# Altium PCB AMS_Master_A1.PcbDoc (part 1 of 2) (continued)
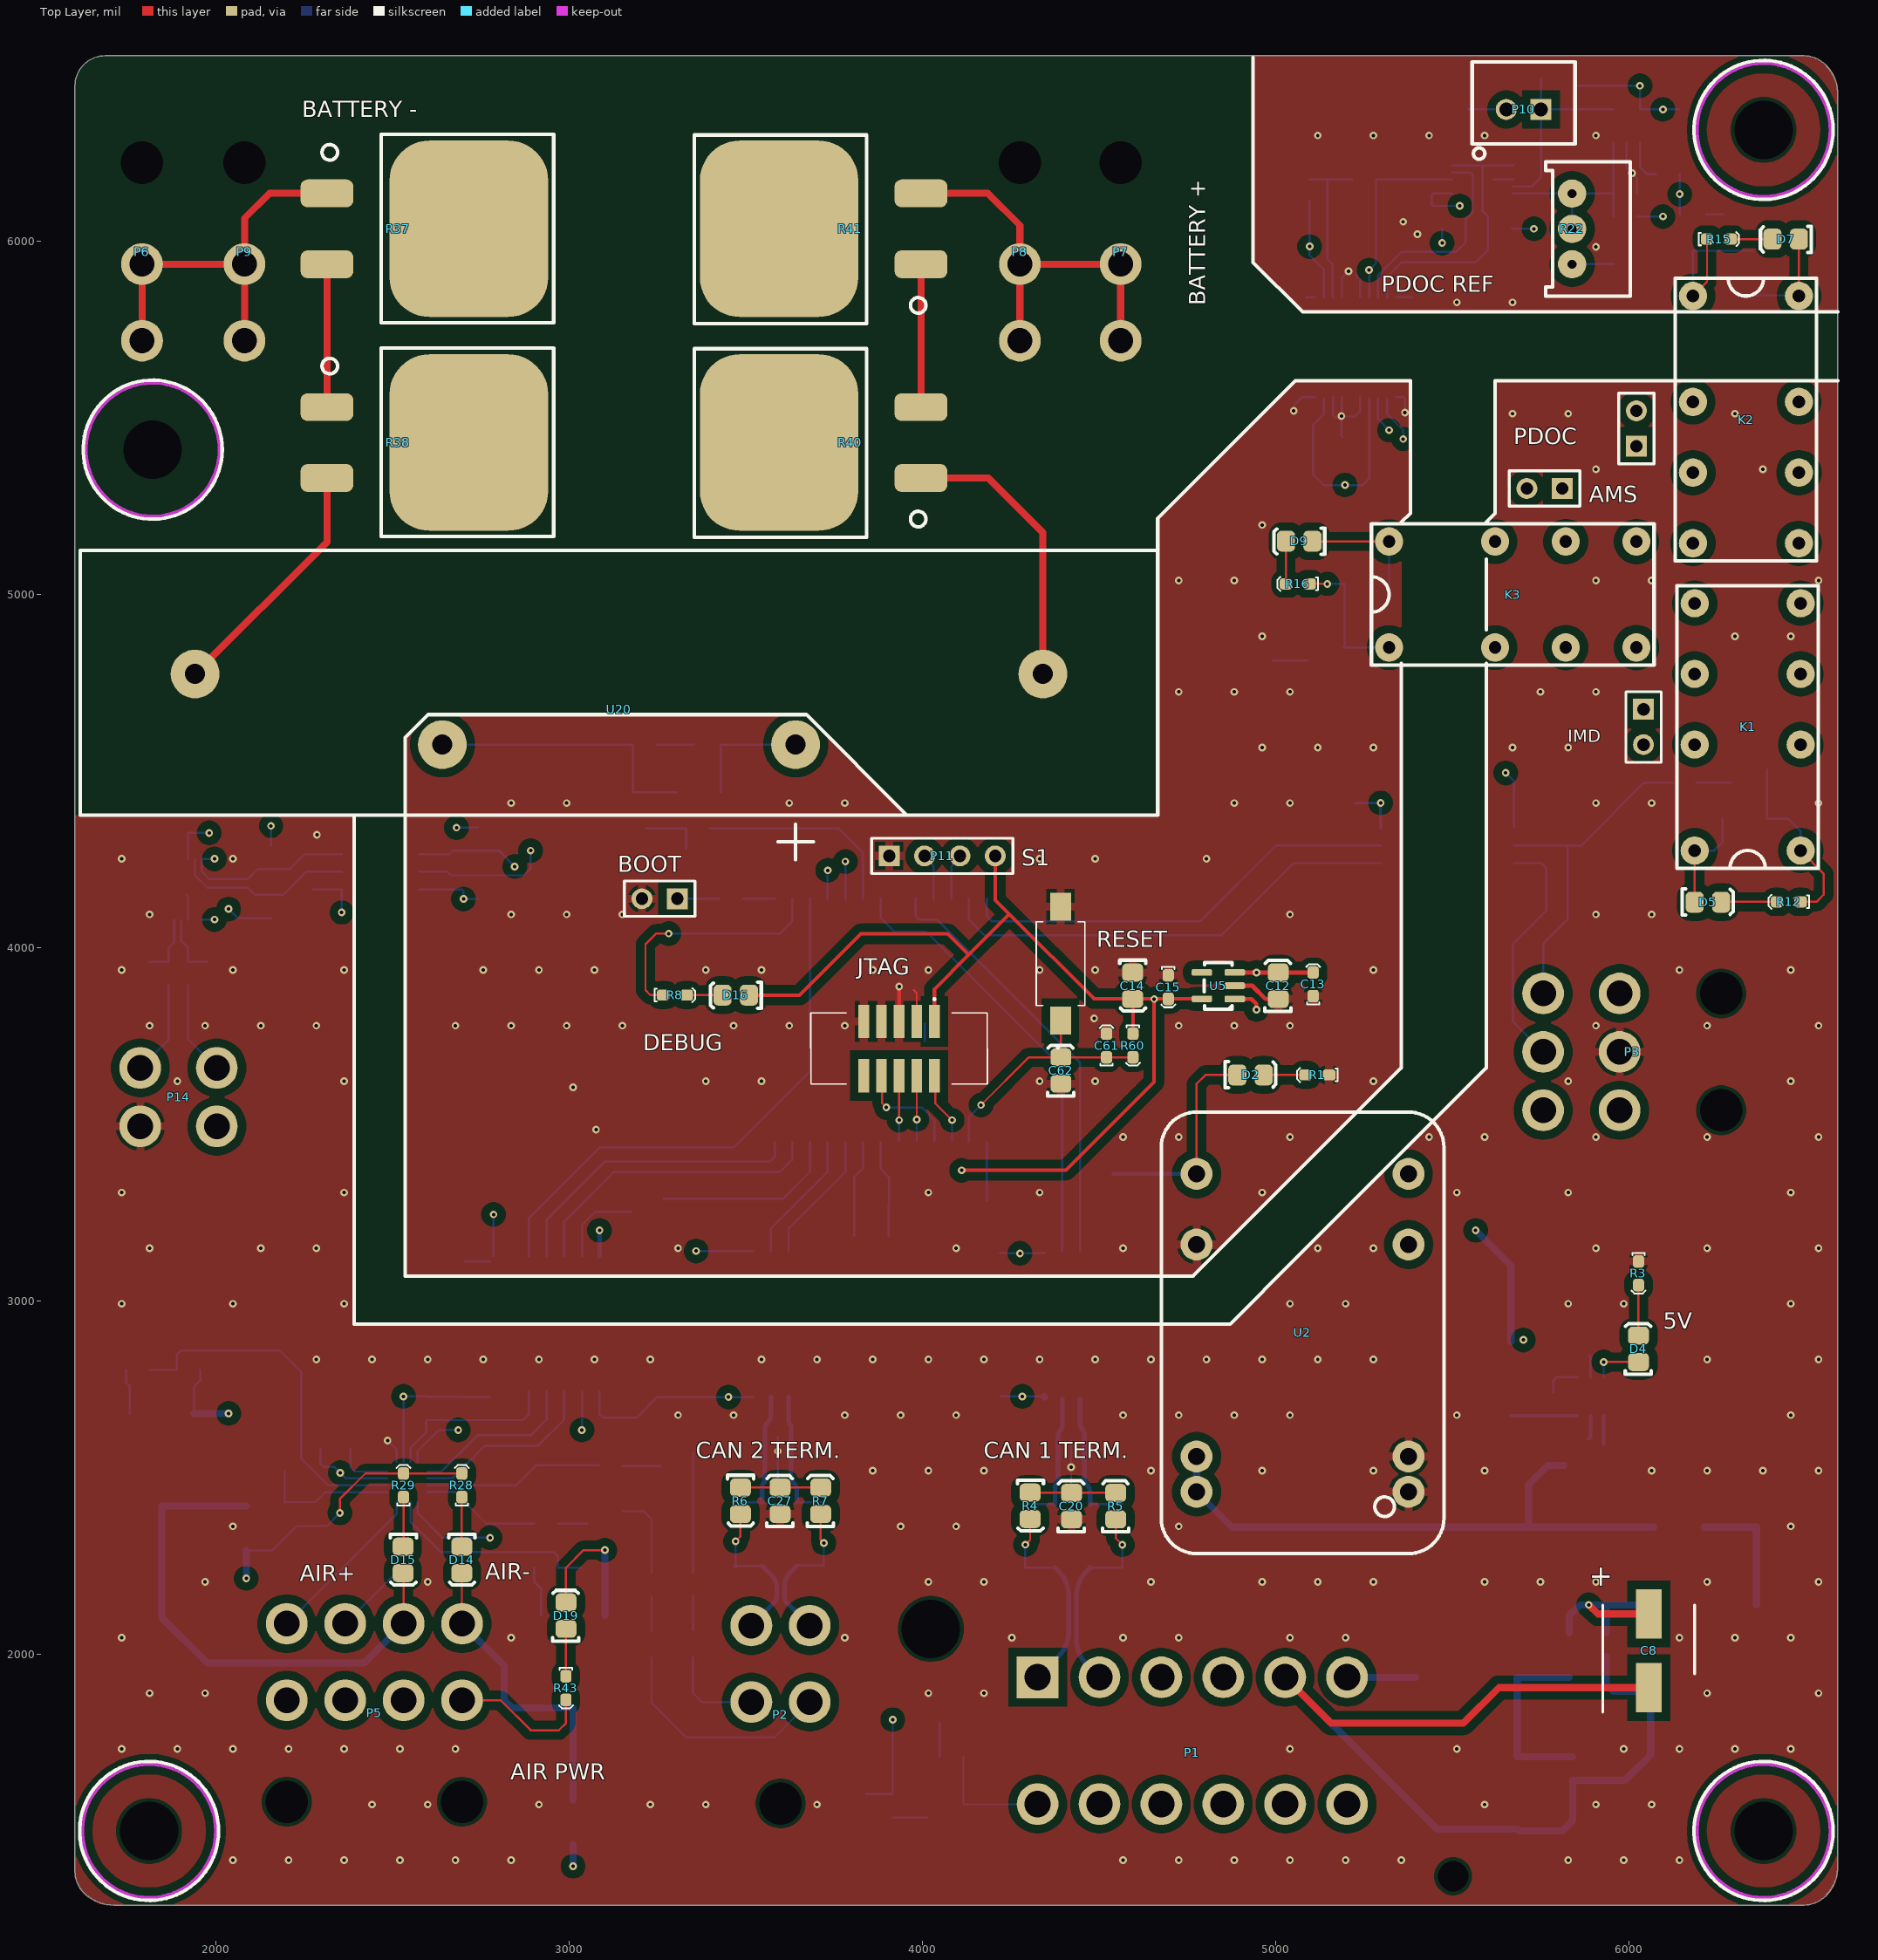
[diagram p0: Top Layer view]
## Footprints (in the part's own frame and the unit in brackets; to place one, negate y for a bottom-side part, rotate by r counter-clockwise, add the part's x,y. Pads: shape width x height; smd on the part's side, far side on the other; paste and mask are expansions set on the pad) (continued)
  silkscreen extent -4.93,-3.05 3.55,3.05, body extent -5.16,-3.05 5.16,3.05, height 2.65
"B 3296" [mil]
  round 80 hole 25.2: 1(-103.39,-22) 2(-3.39,-22) 3(96.61,-22)
  silkscreen extent -193,-97 187,143, body extent -191,-97 184,143, height 455
"B TO-263" [mm]
  rrect50% 2x3.8 smd: 1(-2.55,-10.2) 2(2.55,-10.2)
  rrect50% 12.7x11.4 smd: ""(0,0)
  silkscreen extent -6.8,-10.56 6.75,6.1, body extent -5.19,-11.02 5.45,4.83, height 4.8
"CHEMI-CON ELCO" [mm]
  rect 3.55x1.85 smd: 1(-2.65,0) 2(2.65,0)
  silkscreen extent -4.43,-3.3 3.3,3.3, body extent -3.7,-3.4 3.7,3.4, height 6.1
"CI SPST" [mm]
  round 3.5 hole 1.45: 1(30.48,5.08) 2(12.7,0) 3(-12.7,0) 4(-30.48,5.08)
  silkscreen extent -38.73,-8.25 38.73,13.97, body extent -38.1,-4.44 38.1,13.33, height 20.57
DTF15-12P [mm]
  rect 3x3 hole 1.9: 1(0,18.24)
  round 3 hole 1.9: 2(4.45,18.24) 3(8.9,18.24) 4(13.35,18.24) 5(17.8,18.24) 6(22.25,18.24) 7(22.25,9.12) 8(17.8,9.12) 9(13.35,9.12) 10(8.9,9.12) 11(4.45,9.12) 12(0,9.12)
  round 1.524 hole 4.2 unplated mask+0: 13(-7.671,21.717)
  round 1.524 hole 2.2 unplated mask+0: 13(29.87,3.937)
  body extent -10.87,2.62 33.07,24.88, height 35
"EPSON 2-SMD" [mm]
  rrect50% 1x1.8 smd: 1(-1.25,0) 2(1.25,0)
  silkscreen extent -2,-1.2 2,1.2, body extent -1.5,-1 1.5,1, height 1
ESP32-C6-WROOM-1-N8 [mm]
  rect 1.5x0.9 smd: 1(-8.75,5.26) 2(-8.75,3.99) 3(-8.75,2.72) 4(-8.75,1.45) 5(-8.75,0.18) 6(-8.75,-1.09) 7(-8.75,-2.36) 8(-8.75,-3.63) 9(-8.75,-4.9) 10(-8.75,-6.17) 11(-8.75,-7.44) 12(-8.75,-8.71) 13(-8.75,-9.98) 14(-8.75,-11.25) 15(8.75,-11.25) 16(8.75,-9.98) 17(8.75,-8.71) 18(8.75,-7.44) 19(8.75,-6.17) 20(8.75,-4.9) 21(8.75,-3.63) 22(8.75,-2.36) 23(8.75,-1.09) 24(8.75,0.18) 25(8.75,1.45) 26(8.75,2.72) 27(8.75,3.99) 28(8.75,5.26)
  rect 0.8x0.8 smd: 29(-1.505,-0.46) 30(-2.755,0.79) 31(-2.755,-0.46) 32(-2.755,-1.71) 33(-1.505,-1.71) 34(-0.255,-1.71) 35(-0.255,-0.46) 36(-0.255,0.79) 37(-1.505,0.79)
  silkscreen extent -10.05,-12.75 9,12.75, body extent -9.01,-12.8 9.01,12.7, height 3.1
NEXPERIA_SOT23 [mm]
  rect 0.95x0.6 smd: 2(-1.175,-0.95) A(-1.175,0.95) K(1.175,0)
  silkscreen extent -1.3,-1.5 0.7,1.92, body extent -1.33,-1.5 1.33,1.5, height 1.1
"NXP SOD123W" [mm]
  rrect50% 1.1x1.3 smd: A(1.6,0) K(-1.6,0)
  silkscreen extent -2.2,-0.73 0.2,1.04, body extent -1.75,-0.95 1.75,0.95, height 1.1
"ON SOT-23" [mm] "NUP2105L"
  rrect50% 0.8x0.9 smd: 1(-0.95,-1) 2(0.95,-1) 3(0,1)
  silkscreen extent -1.75,-0.65 1.75,0.75, body extent -1.5,-1.28 1.5,1.27, height 1
"ON SOT-23-5" [mil]
  rrect50% 19x58 smd: 1(24.61,38.39) 2(62.01,38.39) 3(99.41,38.39) 4(99.41,131.39) 5(24.61,131.39)
  silkscreen extent -5,39 128,128, body extent 2,27 122,145, height 57
PTS636SM43SMTRLFS [mm]
  rect 2x1.5 smd: 1(-4.1,0) 2(4.1,0)
  silkscreen extent -6.1,-1.75 3,1.75, body extent -3.47,-1.75 3.63,1.75, height 4.3
SRN3015TA-4R7M [mm]
  rrect25% 1.5x3.6 smd: 1(-1.525,0) 2(1.525,0)
  silkscreen extent -2.1,-0.05 -2,0.05, body extent -1.46,-1.47 1.61,1.47, height 1.4
"ST SMB DIODE" [mm]
  rrect50% 2.5x2.5 smd: A(2.6,0) K(-2.6,0)
  silkscreen extent -4.28,-2.12 4.17,2.08, body extent -2.88,-1.99 2.72,1.95, height 2.5
"STM TO-252 MOSFET" [mm]
  rrect50% 6.7x6.7 smd: D(0.05,0.35)
  oval 1.6x3 smd: G(2.35,7) S(-2.25,7)
  silkscreen extent -3.75,-3.4 3.75,4.5, body extent -3.33,-2.67 3.39,7.75, height 2.39
"TDK 4-PC Pad" [mm]
  rrect50% 1.35x0.9 smd: 1(0,-2.5) 2(0,0) 3(4.55,0) 4(4.55,-2.5)
  silkscreen extent -1,-3.2 5.5,0.7, body extent -0.02,-2.82 4.48,0.38, height 2.8
"TH 2.54mm Header 1x2" [mm]
  rect 1.5x1.5 hole 0.9: 1(0,0)
  round 1.5 hole 0.9: 2(2.54,0)
  silkscreen extent -1.27,-1.27 3.81,1.27, body extent -1.27,-1.27 3.81,1.27, height 9.5
"TH 2.54mm Header 1x4" [mm]
  rect 1.5x1.5 hole 0.9: 1(0,0)
  round 1.5 hole 0.9: 2(2.54,0) 3(5.08,0) 4(7.62,0)
  silkscreen extent -1.27,-1.27 8.89,1.27, body extent -1.27,-1.27 8.89,1.27, height 9.5
"TI 2-DIL" [mil]
  round 80 hole 35.43: 1(-350,-150) 4(-50,-150) 6(150,-150) 8(350,-150) 9(350,150) 11(150,150) 13(-50,150) 16(-350,150)
  silkscreen extent -400,-200 400,200, body extent -398,-197 398,197, height 450
"TI 8-SOIC" [mm]
  oval 1.4x0.6 smd: 1(-9.677,2.54) 2(-9.677,1.27) 3(-9.677,0) 4(-9.677,-1.27) 5(-4.089,-1.27) 6(-4.089,0) 7(-4.089,1.27) 8(-4.089,2.54)
  silkscreen extent -8.74,-1.78 -5.03,3.17, body extent -9.96,-1.87 -3.76,3.14, height 1.76
"TI 10-VSSOP" [mm]
  rrect50% 1.45x0.3 smd mask+0.05: 1(-2.2,1) 2(-2.2,0.5) 3(-2.2,0) 4(-2.2,-0.5) 5(-2.2,-1) 6(2.2,-1) 7(2.2,-0.5) 8(2.2,0) 9(2.2,0.5) 10(2.2,1)
  silkscreen extent -1.25,-1.5 1.25,1.5, body extent -2.45,-1.5 2.45,1.5, height 1.12
"TI SOT-23-5" [mil]
  rrect50% 19x58 smd: 1(0,0) 2(37.4,0) 3(74.8,0) 4(74.8,93) 5(0,93)
  silkscreen extent -30,8 103,86, body extent -23,-12 97,106, height 57
TI-SOIC-8 [mm]
  rrect50% 1.95x0.6 smd: 1(-5.25,1.905) 2(-5.25,0.635) 3(-5.25,-0.635) 4(-5.25,-1.905) 5(5.25,-1.905) 6(5.25,-0.635) 7(5.25,0.635) 8(5.25,1.905)
  silkscreen extent -5.37,-3 3.88,3, body extent -5.75,-3 5.75,3, height 2.8
TI-SOT23-6 [mm]
  rect 1x0.6 smd: 1(-1.375,0.95) 2(-1.375,0) 3(-1.375,-0.95) 4(1.375,-0.95) 5(1.375,0) 6(1.375,0.95)
  silkscreen extent -1.5,-1.55 0.5,1.92, body extent -1.5,-1.53 1.5,1.53, height 1.45
"VSHY SOT-23-3" [mm] "SOT23, 3-Leads, Body 2.92x2.37mm, Pitch 0.95mm, IPC Low Density"
  rrect50% 1.2x0.65 smd: D(1.3,0) G(-1.3,0.95) S(-1.3,-0.95)
  silkscreen extent -1.42,-1.5 0.7,1.95, body extent -1.32,-1.52 1.32,1.52, height 1.12
WFQN-16 [mm]
  rect 0.8x0.25 smd: 1(-1.45,0.75) 2(-1.45,0.25) 3(-1.45,-0.25) 4(-1.45,-0.75) 9(1.45,-0.75) 10(1.45,-0.25) 11(1.45,0.25) 12(1.45,0.75)
  rect 0.25x0.8 smd: 5(-0.75,-1.45) 6(-0.25,-1.45) 7(0.25,-1.45) 8(0.75,-1.45) 13(0.75,1.45) 14(0.25,1.45) 15(-0.25,1.45) 16(-0.75,1.45)
  rect 1.68x1.68 smd: 17(0,0)
  silkscreen extent -2.47,-1.7 1.7,1.7, body extent -1.6,-1.6 1.6,1.6, height 0.8
"Wurth 4-PC Pad" [mm]
  rrect50% 2.7x2.7 smd: 1(7.62,6.22) 2(0,6.22) 3(0,0) 4(7.62,0)
  silkscreen extent -1.7,-1.8 9.4,8, body extent -1.19,-1.24 8.81,7.46, height 6.2
"XH 2 PIN VERT" [mm]
  round 1.508 hole 1: 1(1.25,0.127)
  rect 1.508x1.508 hole 1: 2(-1.25,0.127)
  silkscreen extent -3.7,-3.3 3.7,3.71, body extent -3.61,-3.24 3.61,2.6, height 7.21

## Part data
AMS BOOT IMD PDOC: library part "TH 2.54mm Header 1x2", Angle=0, Contact=NA, Flange=No, Part Number="TH 2.54mm Header 1x2", Pitch=2.54mm, Positions=2, Row Spacing=2.54mm
C1 C20 C27: library part GRM21BR61A226ME51L, Digikey Part Number=490-10511-1-ND, Manufacturer=muRata, Rated Voltage=10V, Temperature Rating=X5R, Tolerance=20%, Material=MLCC, Part Number=GRM21BR61A226ME51L
C2 C12 C14 C58 C62: library part GCM21BR71H105KA03L, Digikey Part Number=490-10675-1-ND, Manufacturer=muRata, Rated Voltage=50V, Temperature Rating=X7R, Tolerance=±10%, Material=MLCC, Part Number=GCM21BR71H105KA03L
C3 C4 C17 C45 C49: library part GRM21BR6YA106KE43L, Digikey Part Number=490-10514-6-ND, Manufacturer=muRata, Rated Voltage=50V, Temperature Rating=X5R, Tolerance=10%, Material=MLCC, Part Number=GRM21BR6YA106KE43L
C5 C6 C7 C10 C13 C15 C16 C18 C19 C25 C26 C36 C37 C38 C39 C40 C41 C42 C43 C44 C47 C48 C50 C52 C53 C54 C55 C56 C57 C59 C60 C61: library part GCM188L81H104KA57D, Digikey Part Number=490-6049-1-ND, Manufacturer=muRata, Rated Voltage=50V, Temperature Rating=X8L, Tolerance=±10%, Material=MLCC, Part Number=GCM188L81H104KA57D
C8: library part HHXA350ARA470MF61G, Manufacturer=Chemi-Con, Rated Voltage=35V, Temperature Rating=125C, Tolerance=20%, Material="Aluminium Electrolytic", Part Number=HHXA350ARA470MF61G
C9: library part GRM21BR61A226ME51L, Digikey Part Number=490-10511-1-ND, Manufacturer=muRata, Rated Voltage=50V, Temperature Rating=X5R, Tolerance=20%, Material=MLCC, Part Number=GRM21BR61A226ME51L
C11: library part GRM21BR71E225KE11L, Digikey Part Number=490-14467-2-ND, Manufacturer="Murata Electronics", Rated Voltage=25V, Temperature Rating=X7R, Tolerance=±10%, Material=MLCC, Part Number=GRM21BR71E225KE11L
C21 C22 C23 C24 C28 C29 C30 C31: library part GRM1885C1H101JA01D, Digikey Part Number=490-1427-1-ND, Manufacturer="Murata Electronics", Rated Voltage=50V, Temperature Rating="C0G, NP0", Tolerance=±5%, Material=MLCC, Part Number=GRM1885C1H101JA01D
C46 C51: library part GCM188L81H103KA03D, Digikey Part Number=490-GCM188L81H103KA03DCT-ND, Manufacturer=muRata, Rated Voltage=50V, Temperature Rating=X8L, Tolerance=±10%, Material=MLCC, Part Number=GCM188L81H103KA03D
C65 C66: library part GRM0335C1H220JA01D, Digikey Part Number=490-6123-1-ND, Manufacturer="Murata Electronics", Rated Voltage=50V, Temperature Rating="C0G, NP0", Tolerance=±5%, Material=MLCC, Part Number=GRM0335C1H220JA01D
D1 D6 D8 D10 D11 D12 D18: Breakdown Voltage="100 V", Digikey Part Number=1727-PMEG100T10ELR-QXCT-ND, Forward Voltage="0.75 V @ 1A", Manufacturer="Nexperia USA Inc.", Rated Power="680 mW", Part Number=PMEG100T10ELR-QX
D2 D4 D16: library part SML-211DTT86, "Orange LED Indication - Discrete 1.75V 0805 (2012 Metric)", Digikey Part Number=511-1291-1-ND, Manufacturer="ROHM Semiconductor", Colour=Orange, Part Number=SML-211DTT86
D3: Breakdown Voltage="30.8 V", Digikey Part Number=497-10804-1-ND, Manufacturer=STMicroelectronics, Rated Power=600W, Forward Voltage="30.8 V", Part Number=SM6T36CAY
D5 D7 D9 D17: library part SML-210FTT86, "Green LED Indication - Discrete 1.75V 0805 (2012 Metric)", Digikey Part Number=511-1285-1-ND, Manufacturer="ROHM Semiconductor", Colour=Green, Digikey Link=https://www.digikey.com/product-detail/en/rohm-semiconductor/SML-210FTT86/511-1285-1-ND/637098, Part Number=SML-210FTT86
D13 D14 D15 D19: library part SML-210LTT86, "Red LED Indication - Discrete 1.75V 0805 (2012 Metric)", Digikey Part Number=511-1286-1-ND, Manufacturer="ROHM Semiconductor", Colour=Red, Part Number=SML-210LTT86
D20: Breakdown Voltage=250V, Forward Voltage=1.0V, Manufacturer="Nexperia USA Inc.", Rated Power=250mW, Part Number=BAS-21
D21 D22: library part SML-211YTT86, "Yellow LED Indication - Discrete 1.75V 0805 (2012 Metric)", Digikey Part Number=511-1293-1-ND, Manufacturer="ROHM Semiconductor", Colour=Yellow, Part Number=SML-211YTT86
D23: Breakdown Voltage=4.7V, Digikey Part Number=MMBZ5230BLT1GOSTR-ND, Manufacturer=onsemi, Rated Power=225mW, Part Number=MMBZ5230BLT1G
F1: "PTC RESET FUSE 60V 1A 292", Digikey Part Number=507-2070-1-ND, Manufacturer="Littelfuse Inc.", Digikey Link=https://www.digikey.com/product-detail/en/bel-fuse-inc/0ZCF0100AF2A/507-2070-1-ND/6210547, Part Number=0ZCF0100AF2A
JTAG: library part "SMD 1.27mm Header 2x5 (3221-10-0300-00)", Angle=0, Contact=NA, Flange=No, Part Number="SMD 1.27mm Header 2x5 (3221-10-0300-00)", Pitch=1.27mm, Positions=10, Row Spacing=1.27mm
K1 K2 K3: "RELAY GEN PURPOSE DPDT 3A 5V", Digikey Part Number=2449-J104A2C5VDC.40S-ND, Manufacturer="CIT Relay and Switch", Digikey Link=https://www.digikey.com.au/en/products/detail/cit-relay-and-switch/J104A2C5VDC-40S/14002119, Part Number=J104A2C5VDC.40S
L1: library part RLS-126, Digikey Part Number=945-3429-ND, Manufacturer=Recom, Rated Current="0.8 A", Tolerance=0.2, Impedance=230mOhm, Material=Wirewound, Part Number=RLS-126
L2: library part SRN4018-4R7M, Digikey Part Number=SRN3015TA-4R7MCT-ND, Manufacturer=Bourns, Rated Current=1.9A, Tolerance=0.2, Impedance=84mOhms, Material=Wirewound, Part Number=SRN4018-4R7M
P1: Digikey Part Number=1734-1647-ND, Angle=0, Contact="Copper Alloy", Digikey Link=https://www.digikey.com.au/product-detail/en/te-connectivity-deutsch-connectors/DTF15-12PA/1734-1647-ND/7220164, Flange=No, Part Number=DTF15-12P, Pitch=4.44mm, Positions=12, Row Spacing="9.12 mm"
P2: Digikey Part Number=WM21352-ND, Angle=90, Contact=Tin, Flange=No, Part Number=39300040, Pitch=4.2mm, Positions=4, Row Spacing=5.5mm
P3: Digikey Part Number=WM21353-ND, Angle=90, Contact=Tin, Flange=No, Part Number=39300060, Pitch=4.2mm, Positions=6, Row Spacing=5.5mm
P5: Digikey Part Number=WM21354-ND, Angle=90, Contact=Tin, Flange=No, Part Number=39300080, Pitch=4.2mm, Positions=8, Row Spacing=5.5mm
P6 P7 P8 P9: Digikey Part Number=WM21351-ND, Angle=90, Contact=Tin, Flange=No, Part Number=39300020, Pitch=4.2mm, Positions=2, Row Spacing=5.5mm
P10: Digikey Part Number=455-2247-ND, Angle=0, Contact=Tin, Digikey Link=https://www.digikey.com.au/en/products/detail/jst-sales-america-inc/B2B-XH-A-LF-SN/1651045, Flange=No, Part Number=B2B-XH-A(LF)(SN), Pitch=2.54mm, Positions=2, Row Spacing=2.54mm
P11: library part "TH 2.54mm Header 1x4", Angle=0, Contact=NA, Flange=No, Part Number="TH 2.54mm Header 1x4", Pitch=2.54mm, Positions=4, Row Spacing=2.54mm
P14: Digikey Part Number=WM3844-ND, Angle=0, Contact=Tin, Flange=No, Part Number=39293046, Pitch=4.2mm, Positions=4, Row Spacing=5.5mm
Q1 Q2 Q3 Q6 Q7 Q9 Q10: "MOSFET N-CH 60V 2.3A SOT23", Digikey Part Number=SQ2308CES-T1_GE3CT-ND, Manufacturer="Vishay Siliconix", Rated Power=2W, LatestRevisionDate=29-May-2009, LatestRevisionNote="IPC-7351 Footprint Added.", PackageDescription="4-Pin SOT-343 Package 1.3 mm Pitch, 2.1 mm Lead Span", PackageReference=SOT-343, PackageVersion=Sep-2000, Part Number=SQ2308CES-T1_GE3, Published=24-Mar-1999, Publisher="Altium Limited", Type=N-channel
Q4 Q5: "N-Channel 100V 60A (Tc) 125W (Tc) Surface Mount DPAK", Digikey Part Number=497-8806-2-ND, Manufacturer=STMicroelectronics, Rated Power=125W, LatestRevisionDate=29-May-2009, LatestRevisionNote="IPC-7351 Footprint Added.", PackageDescription="4-Pin SOT-343 Package 1.3 mm Pitch, 2.1 mm Lead Span", PackageReference=SOT-343, PackageVersion=Sep-2000, Part Number=STD70N10F4, Published=24-Mar-1999, Publisher="Altium Limited", Type=N-channel
R1 R3 R19 R28 R29 R30 R43 R44: library part RC0603JR-071K2L, Digikey Part Number=311-1.2KGRCT-ND, Manufacturer=YAGEO, Rated Power=0.1W, Tolerance=0.01, Material=FR-07, Part Number=RC0603JR-071K2L
R2 R20 R21 R23 R27 R60: library part RC0603FR-0710KL, Digikey Part Number=311-10.0KHRCT-ND, Manufacturer=YAGEO, Rated Power=0.1W, Tolerance=0.01, Material=FR-07, Part Number=RC0603FR-0710KL
R4 R5 R6 R7: library part RC0805FR0756RL, Digikey Part Number=311-56.0CRCT-ND, Manufacturer=YAGEO, Rated Power=0.125W, Tolerance=0.01, Material=FR-07, Part Number=RC0805FR0756RL
R8 R13 R14 R17 R42 R49 R50 R51 R52: library part RC0603JR-13680RL, Digikey Part Number=13-RC0603JR-13680RLCT-ND, Manufacturer=YAGEO, Rated Power=0.1W, Tolerance=0.01, Material=FR-07, Part Number=RC0603JR-13680RL
R9 R26 R34 R35 R36: library part RC0603FR-0720KL, Digikey Part Number=311-20.0KHRCT-ND, Manufacturer=YAGEO, Rated Power=0.1W, Tolerance=0.01, Material=FR-07, Part Number=RC0603FR-0720KL
R12 R15 R16 R39 R53 R54: library part RC0603FR-071KL, Digikey Part Number=311-1.00KHRCT-ND, Manufacturer=YAGEO, Rated Power=0.1W, Tolerance=0.01, Material=FR-07, Part Number=RC0603FR-071KL
R18: library part RC0603FR-072KL, Digikey Part Number=311-2.00KHRCT-ND, Manufacturer=YAGEO, Rated Power=0.1W, Tolerance=0.01, Material=FR-07, Part Number=RC0603FR-072KL
R22: library part 3296W-1-103LF, Digikey Part Number=3296W-103LF-ND, Manufacturer="Bournes Inc", Rated Power=0.5W, Tolerance=0.1, Part Number=3296W-1-103LF
R24 R25 R55 R56 R57 R58: library part RC0603JR-075K1L, Digikey Part Number=311-5.1KGRCT-ND, Manufacturer=YAGEO, Rated Power=0.1W, Tolerance=0.01, Material=FR-07, Part Number=RC0603JR-075K1L
R31 R32 R33: library part RT0603BRD07500RL, Digikey Part Number=13-RT0603BRD07500RL-ND, Manufacturer=YAGEO, Rated Power=0.1W, Tolerance=0.01, Material=FR-07, Part Number=RT0603BRD07500RL
R37 R38 R40 R41: library part CMP-037-000402-1, Digikey Part Number=PWR263S-35-1001J-ND, Manufacturer="Bournes Inc", Rated Voltage=35W, Tolerance=0.05, Part Number=PWR263S-35-1001J
S1: "Switch", Arrow Part Number="PTS636 SM43 SMTR LFS", Manufacturer_Name="C & K COMPONENTS", Mouser Part Number=611-PTS636SM43SMTRLF, Arrow Price/Stock=https://www.arrow.com/en/products/pts636-sm43-smtr-lfs/ck, Datasheet Link="https://componentsearchengine.com/Datasheets/1/PTS636 SM43 SMTR LFS.pdf", Height=4.5mm, Manufacturer_Part_Number="PTS636 SM43 SMTR LFS", Mouser Price/Stock=https://www.mouser.co.uk/ProductDetail/CK/PTS636-SM43-SMTR-LFS?qs=vLWxofP3U2xu5raMGkTmHg%3D%3D
U1: "RF TXRX MOD BT WIFI PCB TH SMD", Manufacturer=Espressif, Complex IC=1, Part Number=ESP32-C6-WROOM-1-N8
U2: "DC DC CONVERTER 5V 4W", Digikey Part Number=JTC0424S05-ND, Input Voltage=9V-36V, Manufacturer="XP Power", Output Power=4W, Output Voltage=5V, Digikey Link=https://www.digikey.com/products/en?keywords=%20JTC0424S05, Efficiency=0.79, Isolation=Isolated, Part Number=JTC0424S05
U3: Digikey Part Number=732-1489-1-ND, Manufacturer="Wurth Electronics Inc", Rated Current="2.5 A", Impedance="460 Ohms @ 30MHz", Material=Wirewound, Part Number=744272121
U4: library part LMR50410-Q1, "IC REG BUCK 5V 1A SOT23-6", Digikey Part Number=296-LMR50410Y5FQDBVRQ1CT-ND, Input Voltage=4-36V, Manufacturer="Texas Instruments", Output Current=1A, Output Voltage=5V, Part Number=LMR50410-Q1
U5: "IC REG LINEAR 3.3V 200MA SOT23-5", Digikey Part Number=296-27780-1-ND, Input Voltage="2 to 5.5 V", Manufacturer="Texas Instruments", Output Current="0.2 A", Output Voltage="3.3 V", Part Number=TLV70033-Q1
U6 U9: "IC CAN TRANSCEIVER 1/1 8SOIC", Digikey Part Number=296-ISO1042BQDWVQ1-ND, Manufacturer="Texas Instruments", Part Number=ISO1042
U7 U10: Digikey Part Number=495-4598-1-ND, Manufacturer="EPCOS (TDK)", Rated Current=150mA, Impedance="5.8 kOhms @ 10MHz", Material=Wirewound, Part Number=B82787C0104H002
U8 U11: "Dual Line CAN Bus Protector", Digikey Part Number=NUP2105LT1GOSCT-ND, Manufacturer="ON Semiconductor", Digikey Link=https://www.digikey.com/product-detail/en/on-semiconductor/NUP2105LT1G/NUP2105LT1GOSCT-ND/1485001, Part Number=NUP2105L
U14: "DIGITAL ISOLATOR, DUAL CHANNEL", Manufacturer="Analogue Devices", Part Number=ADuM225N
U15: library part ADuM1401, "General Purpose Digital Isolator 2500Vrms 4 Channel 1Mbps 25kV/µs CMTI 16-SOIC (0.295\", 7.50mm Width)", Manufacturer="Analog Devices", Complex IC=0, Part Number=ADuM1401
U16: library part CMP-022-000013-1, "IC COMP LO PWR SGL V SOT 23-5L", Part Number=TS391ILT
U17 U23: "16 Bit Analog to Digital Converter 2, 4 Input 1 Sigma-Delta 10-VSSOP", Digikey Part Number=296-38849-1-ND, Manufacturer="Texas Instruments", Part Number=ADS1115
U18: library part CMP-021-000012-1, "I²C Digital Isolator 2500Vrms 2 Channel 25kV/µs CMTI 20-SSOP (0.209\", 5.30mm Width)", Part Number=ADM3260
U19: library part ADS7028IRTER, "IC ADC 12BIT SAR 16WQFN", Manufacturer="Texas Instruments", Digikey Link=https://www.digikey.com.au/en/products/detail/texas-instruments/ADS7028IRTER/12696020?s=N4IgTCBcDaIIIBEDKB2ADGAHASQEoBUBRXEAXQF8g, Digikey Part Number=ADS7028IRTER, Part Number=ADS7028IRTER
U20: "RELAY REED HV SPST 200W 3A 5V (NO)", Digikey Part Number=1835-1036-ND, Manufacturer="Comus International", Digikey Link=https://www.digikey.com.au/product-detail/en/comus-international/3350-1275-056/1835-1036-ND/7515918, Part Number=3350-1275-056
U24: "I2C Digital Isolator (Multichannel)", Digikey Part Number=296-34871-1-ND, Manufacturer="Texas Instruments", Digikey Link=https://www.digikey.com/product-detail/en/texas-instruments/ISO1540DR/296-34871-1-ND/3587214, Part Number=ISO1540DR
X1: library part "FC-135 32.7680KA-A5", Digikey Part Number=SER4103TR-ND, Load Capacitance=12.5pF, Manufacturer=EPSON, Digikey Link=https://www.digikey.com/product-detail/en/epson/FC-135-32.7680KA-A5/SER4103TR-ND/5259895, ESR=70k, Part Number="FC-135 32.7680KA-A5"

## Free pads (board coordinates)
  round 0 hole 165.35 unplated: 0(1810,1500) 0(1820,5410) 0(6380,1500) 0(6380,6315)

## Via types
v1: diameter 21.65, hole 9.84, Top Layer to Bottom Layer, 321 vias

## Nets (pads, with @x,y where several pads share a name; then routed paths per layer and width w, separated by ;. In a path a pad name is that pad's centre, name@x,y a point inside that pad or via, vN(x,y) a via of type N, cw(c..) or ccw(c..) an arc to the next point about the centre after c; other vN are vias at no path point)
0V: C3.1 C4.1 C5.1 C11.1 C16.1 C17.1 C18.1 C20.1 C21.1 C22.1 C23.1 C24.1 C25.1 C27.1 C28.1 C29.1 C30.1 C31.1 C36.1 C40.1 C52.1 C53.1 C55.1 C56.1 C58.1 C59.1 C60.1 D13.K D23.K P3.3 P14.1 Q1.S Q6.S Q9.S Q10.S R3.1 R36.2 U2.2 U2.3 U3.3 U4.2 U6.5 U8.3 U9.5 U11.3 U14.4 U15.9 U15.15 U19.9 U23.3 U24.4 | length 508.5
  Bottom Layer w6: 1915,4150 1920,4145 U23.3@1920,4078.39 ; v1(2485,2605) 2510.94,2579.06 U19.9@2510.94,2545 ; 3586.62,2447.72 3590,2451.1 U11.3@3590,2614.37 ; 4415,2475 4420,2480 U8.3@4420,2604.37 ; 5885,2845 cw(c5885,2840) 5890,2840 U4.2@5890,2783.27
  other v1: 2047.24,1417.32 2204.72,1417.32 2362.2,1417.32 2519.68,1417.32 2677.17,1417.32 2834.65,1417.32 4566.93,1417.32 4724.41,1417.32 4881.89,1417.32 5039.37,1417.32 5196.85,1417.32 5354.33,1417.32 5826.77,1417.32 5984.25,1417.32 6141.73,1417.32 2440.94,1574.8 2598.42,1574.8 2913.39,1574.8 3228.35,1574.8 3385.83,1574.8 3700.79,1574.8 5590.55,1574.8 5905.51,1574.8 6062.99,1574.8 1732.28,1732.28 1889.76,1732.28 2047.24,1732.28 2204.72,1732.28 2362.2,1732.28 2519.68,1732.28 2677.17,1732.28 5039.37,1732.28 5511.81,1732.28 5984.25,1732.28 6141.73,1732.28 6299.21,1732.28 6456.69,1732.28 1811.02,1889.76 1968.5,1889.76 4015.75,1889.76 4173.23,1889.76 6220.47,1889.76 6535.43,1889.76 1732.28,2047.24 2834.65,2047.24 3779.53,2047.24 4251.97,2047.24 4566.93,2047.24 4724.41,2047.24 5039.37,2047.24 5196.85,2047.24 6141.73,2047.24 6299.21,2047.24 6456.69,2047.24 1968.5,2204.72 2598.42,2204.72 4015.75,2204.72 4173.23,2204.72 4645.67,2204.72 4960.63,2204.72 5118.11,2204.72 5275.59,2204.72 5590.55,2204.72 5748.03,2204.72 5905.51,2204.72 6220.47,2204.72 6535.43,2204.72 2047.24,2362.2 3937.01,2362.2 4094.49,2362.2 4724.41,2362.2 6456.69,2362.2 3858.27,2519.68 4015.75,2519.68 4173.23,2519.68 4645.67,2519.68 4960.63,2519.68 5275.59,2519.68 5590.55,2519.68 6062.99,2519.68 6220.47,2519.68 6377.95,2519.68 6535.43,2519.68 4420,2530 3590,2575 3307.09,2677.17 3464.57,2677.17 3779.53,2677.17 3937.01,2677.17 4094.49,2677.17 4566.93,2677.17 4724.41,2677.17 4881.89,2677.17 5039.37,2677.17 5511.81,2677.17 6456.69,2677.17 2283.46,2834.65 2440.94,2834.65 2598.42,2834.65 2755.91,2834.65 2913.39,2834.65 3070.87,2834.65 3228.35,2834.65 3543.31,2834.65 3700.79,2834.65 3858.27,2834.65 4015.75,2834.65 4173.23,2834.65 4330.71,2834.65 4488.19,2834.65 4645.67,2834.65 4803.15,2834.65 4960.63,2834.65 5118.11,2834.65 5275.59,2834.65 6220.47,2834.65 6535.43,2834.65 1732.28,2992.13 2047.24,2992.13 2362.2,2992.13 5039.37,2992.13 5196.85,2992.13 5826.77,2992.13 5984.25,2992.13 6456.69,2992.13 1811.02,3149.61 2125.98,3149.61 2283.46,3149.61 5118.11,3149.61 5275.59,3149.61 5905.51,3149.61 6220.47,3149.61 6535.43,3149.61 1732.28,3307.09 2362.2,3307.09 5511.81,3307.09 5826.77,3307.09 6456.69,3307.09 5433.07,3464.57 5590.55,3464.57 5905.51,3464.57 6220.47,3464.57 6535.43,3464.57 1889.76,3622.05 2362.2,3622.05 5826.77,3622.05 6456.69,3622.05 1811.02,3779.53 1968.5,3779.53 2125.98,3779.53 2283.46,3779.53 5905.51,3779.53 6220.47,3779.53 6535.43,3779.53 1732.28,3937.01 2047.24,3937.01 2362.2,3937.01 6141.73,3937.01 6456.69,3937.01 1811.02,4094.49 5905.51,4094.49 6062.99,4094.49 1732.28,4251.97 2047.24,4251.97 2285,4320 5905.51,4409.45 6062.99,4409.45 6535.43,4409.45 5669.29,4566.93 5826.77,4566.93 5748.03,4724.41 5905.51,4724.41 6299.21,4881.89 6456.69,4881.89 5905.51,5039.37 6062.99,5039.37 6535.43,5039.37 5905.51,5354.33 6377.95,5354.33 5669.29,5511.81 5826.77,5511.81 6299.21,5511.81
"0V (ISO)": BOOT.2 C1.1 C2.1 C9.1 C12.1 C13.1 C14.1 C15.1 C19.1 C26.1 C37.1 C38.1 C48.1 C49.1 C50.1 C51.1 C54.1 C57.1 C61.2 C62.1 C65.1 C66.1 JTAG.3 JTAG.5 JTAG.7 JTAG.9 P11.1 Q3.S Q7.S R1.1 R9.2 S1.2 U1.1 U1.28 U1.29 U1.30 U1.31 U1.32 U1.33 U1.34 U1.35 U1.36 U1.37 U2.16 U5.2 U6.4 U9.4 U14.5 U15.2 U15.8 U18.1 U18.5 U18.7 U18.8 U18.10 U24.5 | length 785.1
  Top Layer w6: 3975,3880 3982.99,3872.01 JTAG.3@3982.99,3791.54
  Top Layer w10: JTAG.5@3932.99,3791.54 v1(3932.99,3890)
  Top Layer w12: U5.2@4883,3892.6 4932.4,3892.6 4970,3855 5005.83,3855 C12.1@5006.03,3855.2
  Bottom Layer w6: U1.29@4005.79,3735 U1.35@4005.79,3784.21 ; 5052.96,5537.96 5073.27,5558.27 U18.10@5109.84,5558.27 ; U18.8@5161.02,5558.27 5161.02,5508.98 5170,5500 ; U18.7@5186.61,5558.27 5185.81,5557.46 5185.81,5505.81 v1(5185,5505) ; C49.1@5188.59,5446.03 5185,5449.62 v1(5185,5505) ; U18.5@5237.8,5558.27 5237.8,5518.32 5223.34,5503.86 5186.14,5503.86 v1(5185,5505) ; U18.1@5340.16,5558.27 5361.49,5558.27 5365,5554.75 v1(5365,5515)
  other v1: 3307.09,3149.61 4094.49,3149.61 4566.93,3149.61 4015.75,3307.09 4330.71,3307.09 4960.63,3307.09 4566.93,3464.57 4724.41,3464.57 5039.37,3464.57 3075,3485 3010,3605 3385.83,3622.05 3543.31,3622.05 4330.71,3622.05 4488.19,3622.05 5275.59,3622.05 2677.17,3779.53 2834.65,3779.53 2992.13,3779.53 3149.61,3779.53 3464.57,3779.53 3622.05,3779.53 3779.53,3779.53 4724.41,3779.53 4881.89,3779.53 5039.37,3779.53 4485,3800 2755.91,3937.01 2913.39,3937.01 3070.87,3937.01 3385.83,3937.01 3543.31,3937.01 3858.27,3937.01 4015.75,3937.01 4330.71,3937.01 4488.19,3937.01 5275.59,3937.01 2834.65,4094.49 2992.13,4094.49 3149.61,4094.49 5039.37,4094.49 4330.71,4251.97 4488.19,4251.97 4803.15,4251.97 2834.65,4409.45 2992.13,4409.45 3622.05,4409.45 3779.53,4409.45 4881.89,4409.45 5039.37,4409.45 4960.63,4566.93 5118.11,4566.93 5275.59,4566.93 4724.41,4724.41 4881.89,4724.41 5039.37,4724.41 4960.63,4881.89 4724.41,5039.37 4881.89,5039.37 4960.63,5196.85 5050,5520